# Altium PCB Arduboy_V2.PcbDoc
Units mm, origin at the board's own origin, x right, y up, seen from the top; angles counter-clockwise.
Board outline 45 x 80 mm, 2 copper layers (Top Layer, Bottom Layer), stack 0.271 mm thick; 54 components, 48 nets, 222 pads, 98 vias.
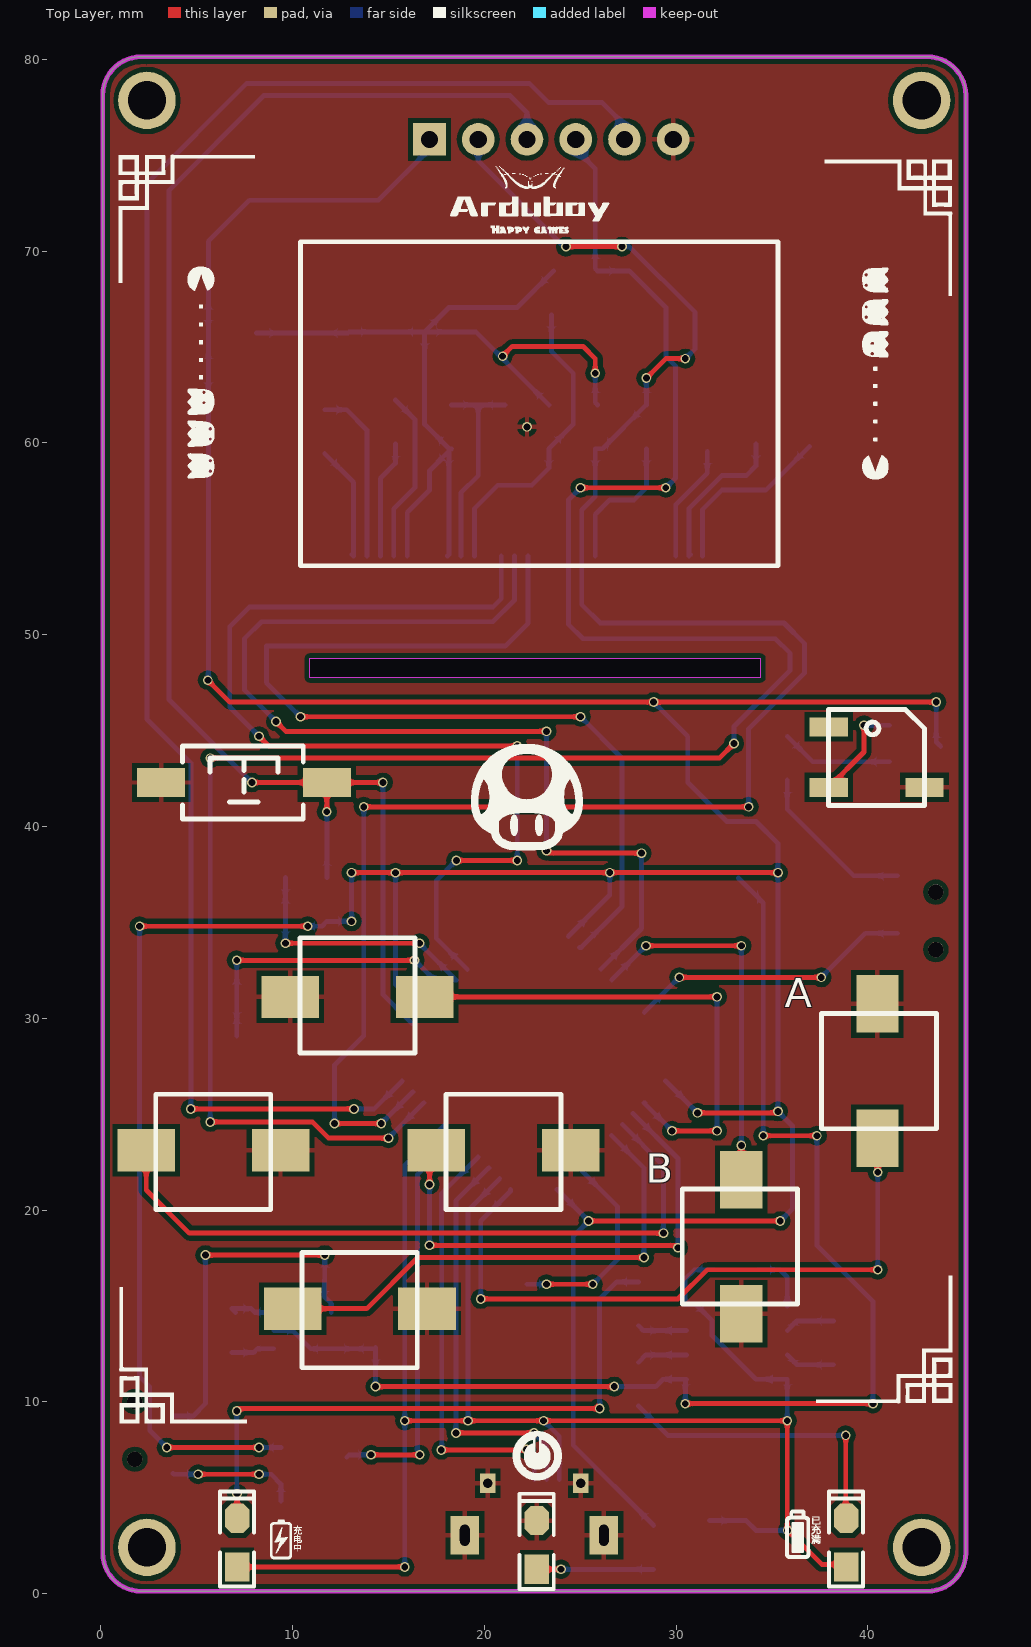
[diagram p0: Top Layer view]
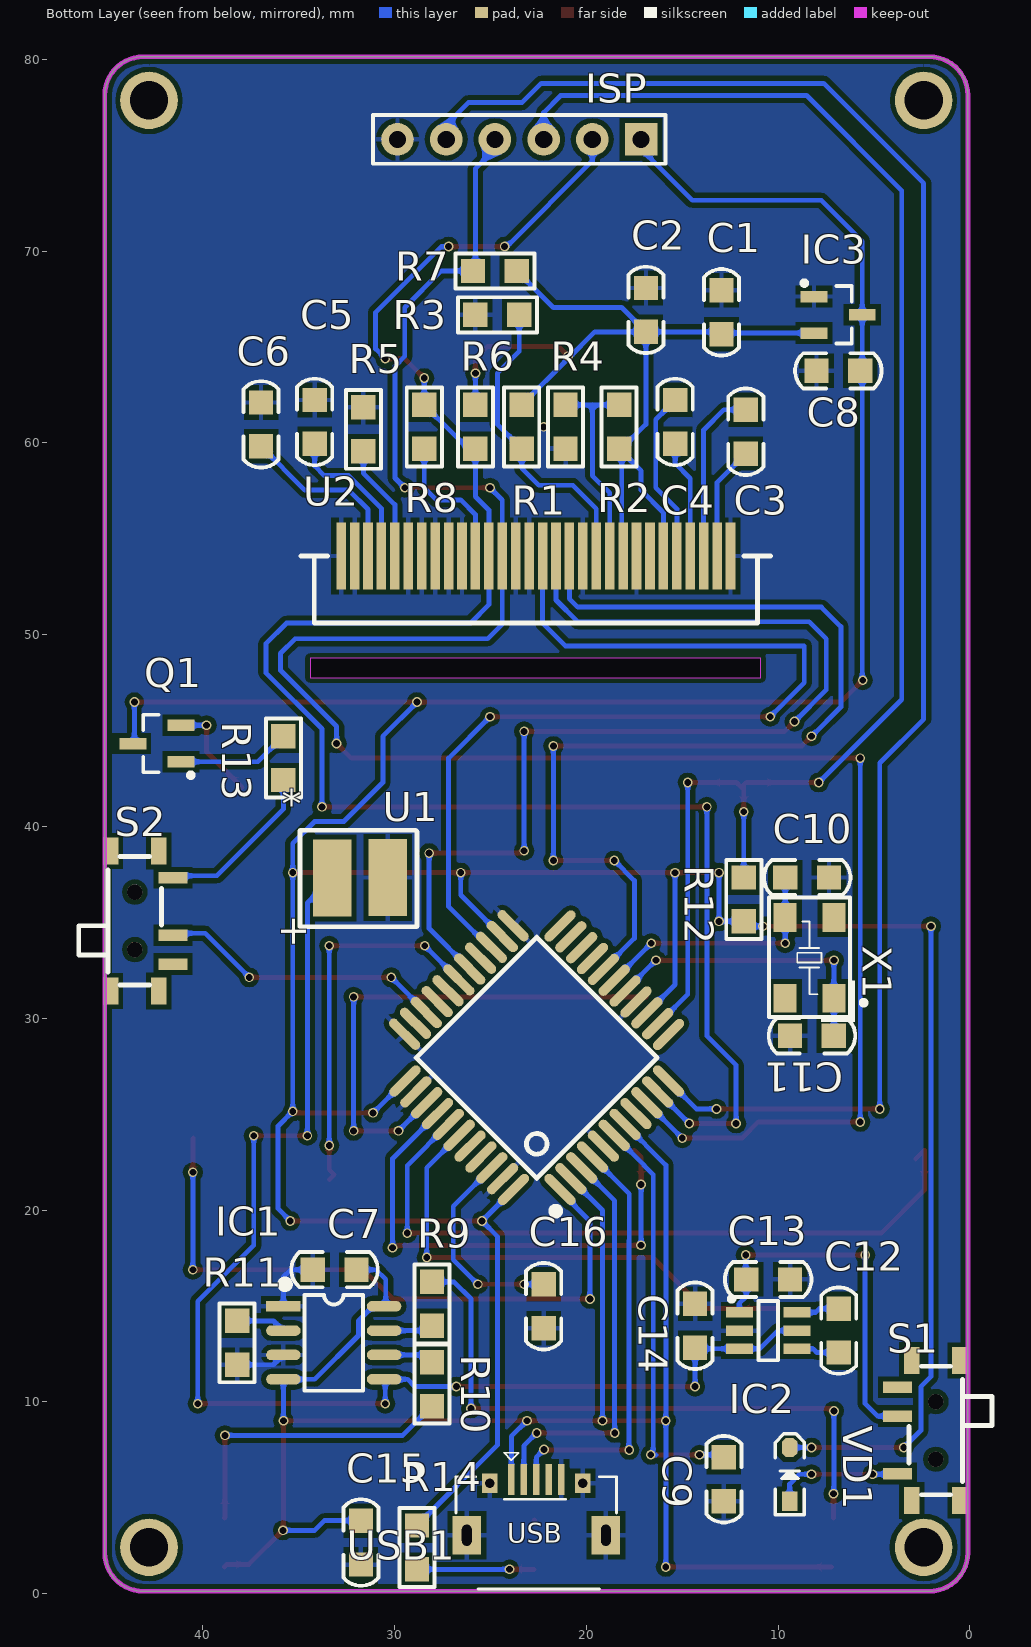
[diagram p1: Bottom Layer view, seen from below]

## Layer stack, top to bottom
Top Solder: solder mask 0.0102, Solder Resist, Dk 3.5
Top Layer: signal copper 0.0356
Dielectric 1: dielectric 0.2, FR-4, Dk 4.8
Bottom Layer: signal copper 0.0356
Bottom Solder: solder mask 0.0102, Solder Resist, Dk 3.5

## Board outline
0.106,2.127 0.106,78.127 cw(c2.106,78.127) 2.106,80.127 43.106,80.127 cw(c43.106,78.127) 45.106,78.127 45.106,2.127 cw(c43.106,2.127) 43.106,0.127 2.106,0.127 cw(c2.106,2.127)
cut-out: 10.901,48.768 34.396,48.768 34.396,47.752 10.901,47.752

## Design rules (kind name [scope] priority, off if disabled: settings)
Clearance [All] p1: gap=0.254 ignorepadtopadclearanceinfootprint=FALSE except(0: Arc-Hole Track-Hole SMDPad-Hole THPad-Hole Via-Hole Fill-Hole Poly-Hole Region-Hole Text-Hole)
PolygonConnect [All] p1: connectstyle=Relief reliefconductorwidth=0.254 reliefentries=4 polygonreliefangle="90 Angle" airgapwidth=0.254
RoutingVias [All] p1: holewidth=0.711 width=1.27 viastyle="Through Hole" minholewidth=0.711 minwidth=1.27 maxholewidth=0.711 maxwidth=1.27
SolderMaskExpansion [All] p1: expansion=0.102 istentingtop=FALSE
Width [All] p1: maxlimit=0.254 minlimit=0.254 preferedwidth=0.254
30 further rules are at their usual default settings.

## Components (designator, comment, footprint, x,y, rotation, side; value= is the part's Value field where it differs from the comment)
* "Li-Bettery SMD" "Li-Bettery SMD" 32.893,37.338 r90 bottom
A "6x6" "SW SMD-2" 40.492,23.749 r270 top
B "6x6" "SW SMD-2" 33.401,21.59 r90 top
B1 "DC5V" "BEEP-SMD 5x5x2" 37.952,41.097 r0 top
C1 "1uF" "C 0805" 12.954,66.802 r270 bottom
C2 "1uF" "C 0805" 16.891,66.929 r270 bottom
C3 "1uF" "C 0805" 11.684,60.579 r90 bottom
C4 "1uF" "C 0805" 15.367,61.087 r90 bottom
C5 "4.7uF" "C 0805" 34.163,61.087 r270 bottom
C6 "2.2uF" "C 0805" 36.957,60.96 r270 bottom
C7 "10uF" "C 0805" 33.126,16.891 r0 bottom
C8 "1uF" "C 0805" 6.858,63.754 r0 bottom
C9 "104" "C 0805" 12.827,5.969 r270 bottom
C10 "22pf" "C 0805" 8.488,37.338 r0 bottom
C11 "22pf" "C 0805" 8.234,29.083 r180 bottom
C12 "10uF" "C 0805" 6.837,13.716 r90 bottom
C13 "10uF" "C 0805" 10.52,16.383 r0 bottom
C14 "10uF" "C 0805" 14.33,13.97 r270 bottom
C15 "1uF" "C 0805" 31.75,2.667 r90 bottom
C16 "0.1uF" "C 0805" 22.225,14.986 r90 bottom
DOWM "6x6" "SW SMD-2" 10.012,14.859 r180 top
IC1 "TP4056" SOP8_N 33.168,13.081 r180 bottom
IC2 "PS3120A" SOT23-6M 10.52,13.716 r270 bottom
IC3 "662K" SOT23-3M 8.128,66.675 r270 bottom
ISP "HDR-1X6" HDR-1X6 17.145,75.819 r0 bottom
LED1 "" "LED 0805B" 7.112,2.667 r90 top
LED2 "红色" "LED 0805R" 38.862,2.667 r90 top
LED3 "红色" "LED 0805B" 22.733,2.54 r90 top
LEFT "6x6" "SW SMD-2" 2.377,23.114 r180 top
Q1 "SS8050" SOT23-3M 41.127,44.323 r90 bottom
R1 "4.7K" "R 0805" 23.368,60.833 r90 bottom
R2 "4.7K" "R 0805" 18.288,60.833 r270 bottom
R3 "4.7K" "R 0805" 24.638,66.675 r180 bottom
R4 "4.7K" "R 0805" 21.082,60.833 r90 bottom
R5 "910K" "R 0805" 31.623,60.706 r270 bottom
R6 "4.7K" "R 0805" 25.781,60.833 r270 bottom
R7 "4.7K" "R 0805" 24.765,68.961 r0 bottom
R8 "0" "R 0805" 28.448,60.833 r90 bottom
R9 "4.7K" "R 0805" 28.046,15.113 r270 bottom
R10 "4.7K" "R 0805" 28.046,10.922 r90 bottom
R11 "3K" "R 0805" 38.206,13.081 r90 bottom
R12 "10K" "R 0805" 11.79,36.195 r270 bottom
R13 "10K" "R 0805" 35.793,43.561 r90 bottom
R14 "4.7K" "R 0805" 28.829,2.413 r90 bottom
RIGHT "6x6" "SW SMD-2" 17.505,23.114 r180 top
S1 "SS-12F23" MSK-12C01-07 1.778,8.509 r90 bottom
S2 "SS-12F23" MSK-12C01-07 43.54,35.076 r270 bottom
SW1 "3x6x5" "TSW SMD-3*6*4.3" 7.472,42.291 r0 top
U1 "Atmega32U4-Line-5v" "TQFP44 10x10_M" 22.585,27.94 r135 bottom
U2 "OLED 0.96" "OLED 0.96" 22.631,54.102 r0 bottom
UP "6x6" "SW SMD-2" 16.885,31.115 r0 top
USB1 "USB-5P" USB-MICRO_B 22.606,3.048 r180 bottom
VD1 "1N4148" SOD-323 9.398,6.223 r90 bottom
X1 "26M" XTAL-5032 8.361,33.147 r90 bottom

## Footprints (in the part's own frame and the unit in brackets; to place one, negate y for a bottom-side part, rotate by r counter-clockwise, add the part's x,y. Pads: shape width x height; smd on the part's side, far side on the other; paste and mask are expansions set on the pad)
"BEEP-SMD 5x5x2" [mm] "贴片式蜂鸣器"
  rect 2x1 smd: 1(0,0.94) 2(5,0.94) 3(0,4.089)
  silkscreen extent 0,0 5,5
"C 0805" [mil] "无极性贴片电容"
  rect 50x50 smd: 1(-45,0) 2(45,0)
  silkscreen extent -89,-36 89,36, body extent -39,-24 39,24, height 20
HDR-1X6 [mm] "排针，6脚"
  rect 1.7x1.7 hole 0.9: 1(0,0)
  round 1.7 hole 0.9: 2(2.54,0) 3(5.08,0) 4(7.62,0) 5(10.16,0) 6(12.7,0)
  silkscreen extent -1.27,-1.27 13.97,1.27, body extent -1.27,-1.27 13.97,1.27, height 8.5
"LED 0805B" [mil] "蓝色0805LED"
  rect 60x50 smd: 1(-50,0)
  oct 60x50 smd: 2(50,0)
  silkscreen extent -90,-35 105,35, body extent -39,-25 39,25, height 32
"LED 0805R" [mil] "红色0805LED"
  rect 60x50 smd: 1(-50,0)
  oct 60x50 smd: 2(50,0)
  silkscreen extent -90,-35 105,35, body extent -39,-25 39,25, height 32
"Li-Bettery SMD" [mm] "锂电池焊接部分"
  rect 4x2 smd: 1(-0.025,0.356) 2(0,-2.54)
  silkscreen extent -2.57,-4.06 2.46,2.03
MSK-12C01-07 [mm] "6.7*2.8*1.5mm(长宽高）"
  rect 1.4x0.8 smd: 0(-3.65,-1.25) 0(-3.65,1.25) 0(3.65,-1.25) 0(3.65,1.25)
  rect 0.6x1.5 smd: 1(-2.25,1.996) 2(0.75,1.996) 3(2.25,1.996)
  round 0.8 hole 0.8: " "(-1.5,0) " "(1.5,0)
  silkscreen extent -3.35,-2.92 3.35,1.4, body extent -3.92,-2.9 3.92,2.4, height 1.5
"OLED 0.96" [mm]
  rect 0.5x3.5 smd: 1(-10.15,0) 2(-9.45,0) 3(-8.75,0) 4(-8.05,0) 5(-7.35,0) 6(-6.65,0) 7(-5.95,0) 8(-5.25,0) 9(-4.55,0) 10(-3.85,0) 11(-3.15,0) 12(-2.45,0) 13(-1.75,0) 14(-1.05,0) 15(-0.35,0) 16(0.35,0) 17(1.05,0) 18(1.75,0) 19(2.45,0) 20(3.15,0) 21(3.85,0) 22(4.55,0) 23(5.25,0) 24(5.95,0) 25(6.65,0) 26(7.35,0) 27(8.05,0) 28(8.75,0) 29(9.45,0) 30(10.15,0)
  silkscreen extent -12.25,0 12.25,3.5
"R 0805" [mil] "1/8W贴片电阻"
  rect 50x50 smd: 1(-45,0) 2(45,0)
  silkscreen extent -81,-36 81,36, body extent -39,-25 39,25, height 20
SOD-323 [mm] "1.8x1.3X0.9mm（长宽高，不包括引脚）"
  rect 1x0.8 smd: 1(-1.4,0)
  oct 1x0.8 smd: 2(1.4,0)
  silkscreen extent -2.11,-0.76 2.11,0.76, body extent -1.34,-0.63 1.31,0.67, height 1
SOP8_N [mm] "5*6*1.8mm（长宽高）"
  rect 1.8x0.55 smd: 1(-2.625,1.905)
  oval 1.8x0.55 smd: 2(-2.625,0.635) 3(-2.625,-0.635) 4(-2.625,-1.905) 5(2.625,-1.905) 6(2.625,-0.635) 7(2.625,0.635) 8(2.625,1.905)
  silkscreen extent -2.69,-2.5 1.52,3.2, body extent -3,-2.5 3,2.5, height 1.9
SOT23-3M [mm] "3x1.3x1mm(长宽高)"
  rect 0.6x1.4 smd: 1(-0.95,0) 2(0.95,0) 3(0,2.514)
  silkscreen extent -1.78,-0.63 1.5,1.97, body extent -1.5,0.07 1.5,2.47, height 1.05
SOT23-6M [mm] "3x1.6x1.1mm(长宽高)"
  rect 0.55x1.4 smd: 1(-0.95,-1.5) 2(0,-1.5) 3(0.95,-1.5) 4(0.95,1.5) 5(0,1.5) 6(-0.95,1.5)
  silkscreen extent -1.78,-2.03 1.55,0.51, body extent -1.5,-1.4 1.5,1.4, height 1.15
"SW SMD-2" [mm] "Arduboy使用"
  rect 3x2.2 smd: 1(0,0) 2(-7,0)
  silkscreen extent -6.49,-2.92 -0.49,3.08
"TQFP44 10x10_M" [mm] "44脚，体宽：10x10mm, 脚距：0.8mm"
  oval 0.5x2.1 smd: 1(-4,-5.715) 2(-3.2,-5.715) 3(-2.4,-5.715) 4(-1.6,-5.715) 5(-0.8,-5.715) 6(0,-5.715) 7(0.8,-5.715) 8(1.6,-5.715) 9(2.4,-5.715) 10(3.2,-5.715) 11(4,-5.715) 23(4,5.74) 24(3.2,5.74) 25(2.4,5.74) 26(1.6,5.74) 27(0.8,5.74) 28(0,5.74) 29(-0.8,5.74) 30(-1.6,5.74) 31(-2.4,5.74) 32(-3.2,5.74) 33(-4,5.74)
  oval 2.1x0.5 smd: 12(5.715,-4) 13(5.715,-3.2) 14(5.715,-2.4) 15(5.715,-1.6) 16(5.715,-0.8) 17(5.715,0) 18(5.715,0.8) 19(5.715,1.6) 20(5.715,2.4) 21(5.715,3.2) 22(5.715,4) 34(-5.715,4) 35(-5.715,3.2) 36(-5.715,2.4) 37(-5.715,1.6) 38(-5.715,0.8) 39(-5.715,0) 40(-5.715,-0.8) 41(-5.715,-1.6) 42(-5.715,-2.4) 43(-5.715,-3.2) 44(-5.715,-4)
  silkscreen extent -5.08,-6.48 4.45,4.45, body extent -6,-6 6,6, height 1.05
"TSW SMD-3*6*4.3" [mm] "3*6*4.3mm"
  rect 2.5x1.5 smd: 1(-4.318,0) 2(4.318,0)
  silkscreen extent -3.21,-1.9 3.09,1.9, body extent -4.6,-1.75 4.6,1.75, height 4.4
USB-MICRO_B [mm] "micro型USB ，5.7*7.8*2.5mm"
  rect 0.35x1.6 smd: 1(-1.3,2.9) 2(-0.65,2.9) 3(0,2.9) 4(0.65,2.9) 5(1.3,2.9)
  rect 1.5x2 hole 0.5 slot 1.1 at 90 deg: 5(-3.625,0) 5(3.625,0)
  rect 0.8x1 hole 0.5: 5(-2.425,2.71) 5(2.425,2.71)
  silkscreen extent -4.19,-2.79 4.19,4.3, body extent -4,-2.71 4,2.89, height 2.8
XTAL-5032 [mm]
  rect 1.5x1.2 smd: 1(-2.108,-1.27) 2(2.108,-1.27) 3(2.108,1.27) 4(-2.108,1.27)
  silkscreen extent -3.35,-2.95 3.15,2.11, body extent -2.5,-1.6 2.5,1.6, height 1

## Part data
A B DOWM LEFT RIGHT UP: library part "SW SMD-2", "Arduboy 用"
B1: library part BEEP, "蜂鸣器", BOM名称=蜂鸣器, 学习资源=https://lmdzstyle.taobao.com/, 版权归属=黎明电子style
C1 C2 C3 C4 C5 C6 C7 C8 C9 C10 C11 C12 C13 C14 C15 C16: library part C, "无极性贴片电容", BOM名称=无极性贴片电容, 学习资源=https://lmdzstyle.taobao.com/, 版权归属=黎明电子style
IC1: "锂电池充电管理", BOM名称=锂电池充电管理, 学习资源=https://lmdzstyle.taobao.com/, 版权归属=黎明电子style
IC2: "5V升压芯片"
IC3: "3.3V LEO稳压IC"
ISP: library part "Header 6", "6P接插件", BOM名称=6P接插件, 学习资源=https://lmdzstyle.taobao.com/, 版权归属=黎明电子style
LED1 LED2 LED3: library part LED-SMD, "贴片LED", BOM名称=贴片LED, 学习资源=https://lmdzstyle.taobao.com/, 版权归属=黎明电子style
Q1: library part 8050-SMD, "高频放大-NPN型", BOM名称=高频放大-NPN型, 学习资源=https://lmdzstyle.taobao.com/, 属性="40V 1.5A 1W 100MHZ", 版权归属=黎明电子style
R1 R2 R3 R4 R5 R6 R7 R8 R9 R10 R11 R12 R13 R14: library part R, "贴片电阻", BOM名称=贴片电阻, 学习资源=https://lmdzstyle.taobao.com/, 版权归属=黎明电子style
S1 S2: library part SSW-1P, "1路波动开关", BOM名称=波动开关, 学习资源=https://lmdzstyle.taobao.com/, 版权归属=黎明电子style
SW1: library part "TSW 3x6", "3x6轻触开关", BOM名称=3x6轻触开关, 学习资源=https://lmdzstyle.taobao.com/, 版权归属=黎明电子style
USB1: "微型USB母座", BOM名称=微型USB母座, 学习资源=https://lmdzstyle.taobao.com/, 版权归属=黎明电子style
VD1: "高速开关二极管", BOM名称=高速开关二极管, 学习资源=https://lmdzstyle.taobao.com/, 版权归属=黎明电子style
X1: library part XTAL-4, "4脚晶振", BOM名称=4脚晶振, 学习资源=https://lmdzstyle.taobao.com/, 版权归属=黎明电子style

## Free pads (board coordinates)
  round 3 hole 2: 17(42.799,77.851) 18(2.413,77.851) 19(2.413,2.413) 20(42.799,2.413)

## Via types
v1: diameter 0.508, hole 0.356, Top Layer to Bottom Layer, 98 vias

## Nets (pads, with @x,y where several pads share a name; then routed paths per layer and width w, separated by ;. In a path a pad name is that pad's centre, name@x,y a point inside that pad or via, vN(x,y) a via of type N, cw(c..) or ccw(c..) an arc to the next point about the centre after c; other vN are vias at no path point)
BEEP: S2.2 U1.31 | length 14.9
  Top Layer w0.254: v1(30.17,32.131) v1(37.571,32.131)
  Bottom Layer w0.254: U1.31 v1(30.17,32.131) ; v1(37.571,32.131) 39.869,34.429 S2.2@41.544,34.429
GND: *.2 A.2 B1.2 B.2 C1.1 C2.1 C5.1 C6.1 C7.2 C8.2 C9.2 C10.1 C11.1 C13.1 C14.1 C15.1 C16.1 DOWM.2 IC1.1 IC1.3 IC2.2 IC3.1 ISP.6 LED3.2 LEFT.2 R3.1 R4.1 R5.1 R11.1 RIGHT.2 SW1.1 U1.5 U1.15 U1.23 U1.33 U1.35 U1.43 U2.1 U2.8 U2.12 U2.16 U2.17 U2.21 U2.22 U2.23 U2.24 U2.25 U2.29 U2.30 UP.2 USB1.5 | length 5.9
  Top Layer w0.254: LED3.2@22.703,3.84 LED3.2
  Bottom Layer w0.254: C7.2 35.412,16.891 35.793,16.51 IC1.1 ; IC1.3 36.301,11.938 R11.1
  other v1: 22.225,60.833
KEY_A: A.1 U1.1 | length 34.5
  Top Layer w0.254: v1(19.812,15.367) 30.099,15.367 31.623,16.891 v1(40.513,16.891) ; A.1 40.513,23.728 v1(40.513,21.971)
  Bottom Layer w0.254: v1(19.812,15.367) 19.812,19.431 21.372,20.991 U1.1 ; v1(40.513,16.891) v1(40.513,21.971)
KEY_B: B.1 U1.28 | length 19.9
  Top Layer w0.254: v1(28.427,33.782) v1(33.401,33.782) ; B.1 33.147,21.844 33.401,22.098 v1(33.401,23.368)
  Bottom Layer w0.254: U1.28 v1(28.427,33.782) ; v1(33.401,23.368) v1(33.401,33.782)
KEY_DOWM: DOWM.1 U1.39 | length 26.5
  Top Layer w0.254: DOWM.1 13.873,14.859 16.54,17.526 v1(28.321,17.526)
  Bottom Layer w0.254: U1.39 28.321,22.204 v1(28.321,17.526)
KEY_LEFT: LEFT.1 U1.38 | length 37.2
  Top Layer w0.254: LEFT.1@2.827,22.664 LEFT.1 2.377,21.044 4.625,18.796 v1(29.337,18.796)
  Bottom Layer w0.254: U1.38 29.337,22.319 v1(29.337,18.796)
KEY_RIGHT: RIGHT.1 U1.37 | length 26.1
  Top Layer w0.254: v1(17.145,18.161) 29.972,18.161 v1(30.099,18.034) ; v1(17.145,21.336) 17.145,22.754 RIGHT.1
  Bottom Layer w0.254: v1(17.145,18.161) v1(17.145,21.336) ; U1.37 30.099,22.689 v1(30.099,18.034)
KEY_UP: U1.36 UP.1 | length 26.7
  Top Layer w0.254: UP.1 v1(32.131,31.115) ; v1(29.789,24.13) v1(32.131,24.13)
  Bottom Layer w0.254: U1.36@28.379,25.596 U1.36 v1(29.789,24.13) ; v1(32.131,24.13) v1(32.131,31.115)
MISO: ISP.5 U1.11 | length 89.5
  Top Layer w0.254: v1(4.699,25.273) v1(13.208,25.273)
  Bottom Layer w0.254: v1(4.699,25.273) 4.699,43.307 2.413,45.593 2.413,73.533 7.62,78.74 22.352,78.74 23.356,77.736 26.15,77.736 27.305,76.581 ISP.5 ; v1(13.208,25.273) 14.261,25.273 U1.11
MOSI: ISP.2 R6.2 R8.2 U1.10 U2.19 | length 98.3
  Top Layer w0.254: v1(12.192,24.511) v1(14.631,24.511) ; v1(13.716,41.021) v1(33.782,41.021) ; v1(24.257,70.231) v1(27.178,70.231) ; v1(28.448,63.373) 29.464,64.389 v1(30.48,64.389)
  Bottom Layer w0.254: v1(12.192,24.511) 12.192,27.559 13.716,29.083 v1(13.716,41.021) ; v1(14.631,24.511) U1.10 ; ISP.2 19.685,74.7 v1@24.154,70.231 ; v1(27.178,70.231) 27.559,70.231 30.988,66.802 30.988,64.897 v1(30.48,64.389) ; v1(28.448,63.373) R8.2 26.162,59.69 R6.2 25.781,57.2 25.081,56.5 U2.19 25.081,51.562 26.035,50.608 35.625,50.608 36.703,49.53 36.703,48.006 33.782,45.085 v1(33.782,41.021)
NetB1_1: B1.1 Q1.2 | length 5.3
  Top Layer w0.254: B1.1 39.796,43.881 v1(39.796,45.273)
  Bottom Layer w0.254: v1(39.796,45.273) Q1.2
NetC3_1: C3.1 U2.2 | length 6.1
  Bottom Layer w0.254: C3.1 13.181,57.939 U2.2 U2.2@13.112,54.171
NetC3_2: C3.2 U2.3 | length 9.2
  Bottom Layer w0.254: C3.2 12.827,61.722 13.881,60.668 U2.3
NetC4_1: C4.1 U2.4 | length 6.2
  Bottom Layer w0.254: U2.4 14.581,58.142 15.367,58.928 C4.1
NetC4_2: C4.2 U2.5 | length 9
  Bottom Layer w0.254: U2.5 15.281,56.556 16.383,57.658 16.383,61.214 C4.2
NetC5_2: C5.2 U2.27 | length 8.1
  Bottom Layer w0.254: U2.27@30.75,54.171 U2.27 30.681,56.589 32.385,58.293 33.655,58.293 34.163,58.801 C5.2
NetC6_2: C6.2 U2.28 | length 9.4
  Bottom Layer w0.254: U2.28 31.381,56.527 32.385,57.531 34.671,57.531 C6.2
NetC9_1: C9.1 U1.6 | length 21.7
  Top Layer w0.254: v1(14.097,7.239) v1(16.637,7.239)
  Bottom Layer w0.254: C9.1 12.954,7.239 v1(14.097,7.239) ; 16.362,7.239 v1(16.637,7.239) 16.51,7.366 16.51,21.844 16.997,22.331 16.997,22.352 U1.6
NetC10_2: C10.2 U1.17 X1.3 | length 13.3
  Top Layer w0.254: v1(9.631,33.909) v1(16.616,33.909)
  Bottom Layer w0.254: v1(9.631,33.909) X1.3 C10.2 ; v1(16.616,33.909) U1.17 U1.17@18.417,31.981
NetC11_2: C11.2 U1.16 X1.1 | length 15.5
  Top Layer w0.254: v1(7.091,33.02) v1(16.362,33.02)
  Bottom Layer w0.254: C11.2 X1.1 v1(7.091,33.02) ; v1(16.362,33.02) 16.374,33.02 U1.16
NetC12_1: C12.1 IC2.4 | length 2.3
  Bottom Layer w0.254: C12.1 7.98,12.573 8.173,12.766 IC2.4
NetC12_2: C12.2 IC2.6 | length 2.5
  Bottom Layer w0.254: C12.2@7.03,14.666 C12.2 7.853,14.859 8.046,14.666 IC2.6
NetC13_2: C13.2 IC2.1 S1.2 | length 19.1
  Top Layer w0.254: v1(5.461,17.653) v1(11.684,17.653)
  Bottom Layer w0.254: S1.2 4.814,9.259 5.461,9.906 v1(5.461,17.653) ; v1(11.684,17.653) 11.684,16.404 C13.2 11.663,15.494 12.02,15.137 IC2.1
NetC16_2: C16.2 U1.42 | length 10.9
  Top Layer w0.254: v1(23.241,16.129) v1(25.654,16.129)
  Bottom Layer w0.254: C16.2 v1(23.241,16.129) ; U1.42 26.938,20.193 26.938,17.413 v1(25.654,16.129)
NetIC1_2: IC1.2 R11.2 | length 2.6
  Bottom Layer w0.254: IC1.2 36.301,14.224 R11.2
NetIC1_6: IC1.6 R10.2 | length 2.7
  Bottom Layer w0.254: R10.2 28.427,12.446 IC1.6
NetIC1_7: IC1.7 R9.2 | length 2.6
  Bottom Layer w0.254: R9.2 28.3,13.716 IC1.7
NetLED1_2: LED1.2 R9.1 | length 32.9
  Top Layer w0.254: v1(7.091,9.525) 7.218,9.652 v1(26.014,9.652) v1@25.887,9.779 ; LED1.2 v1(7.112,5.207)
  Bottom Layer w0.254: v1(7.091,9.525) 7.091,5.228 v1(7.112,5.207) ; v1(26.014,9.652) 26.014,15.367 26.903,16.256 R9.1
NetLED2_2: LED2.2 R10.1 | length 15.9
  Top Layer w0.254: v1@38.841,8.382 v1(38.841,8.255) 38.841,3.958 LED2.2
  Bottom Layer w0.254: R10.1 29.57,8.255 v1(38.841,8.255)
NetLED3_1: LED3.1 R14.1 | length 6.1
  Top Layer w0.254: LED3.1 v1(24.003,1.27)
  Bottom Layer w0.254: v1(24.003,1.27) R14.1
NetQ1_1: Q1.1 R13.2 | length 5.9
  Bottom Layer w0.254: R13.2 37.124,43.373 Q1.1
NetR1_1: R1.1 R3.2 U2.11 | length 16.2
  Bottom Layer w0.254: U2.11 19.481,56.565 20.701,57.785 22.479,57.785 23.368,58.674 R1.1 24.638,60.96 24.638,63.627 23.495,64.77 R3.2
NetR2_1: R2.1 R4.2 U2.10 | length 11
  Bottom Layer w0.254: R2.1 19.685,61.976 ; U2.10 18.781,57.389 19.685,58.293 19.685,61.976 ; R4.2 19.685,61.976
NetR5_2: R5.2 U2.26 | length 6.1
  Bottom Layer w0.254: U2.26 29.981,56.778 31.623,58.42 R5.2
NetR8_1: R8.1 U2.20 | length 7.4
  Bottom Layer w0.254: U2.20 25.781,56.261 26.543,57.023 27.813,57.023 28.448,57.658 R8.1
NetR13_1: R13.1 S2.1 | length 8.7
  Bottom Layer w0.254: R13.1 35.793,40.894 39.258,37.429 S2.1@41.544,37.429
NetS1_1: S1.1 VD1.1 | length 6.7
  Top Layer w0.254: v1(5.08,6.223) v1(8.255,6.223)
  Bottom Layer w0.254: S1.1 3.81,6.223 v1(5.08,6.223) ; v1(8.255,6.223) 8.89,6.223 9.398,5.715 VD1.1
OLED_CS: U1.18 U2.13 | length 52.9
  Top Layer w0.254: v1(8.255,44.704) 8.763,44.196 v1(21.717,44.196) ; v1(18.542,38.227) v1(21.717,38.227)
  Bottom Layer w0.254: v1(8.255,44.704) 6.731,46.228 6.731,50.419 7.747,51.435 20.447,51.435 20.881,51.869 U2.13 ; v1(18.542,38.227) 17.493,37.178 17.493,34.163 U1.18 ; v1(21.717,38.227) v1(21.717,44.196)
OLED_D0: ISP.4 R7.2 U1.9 U2.18 | length 110.2
  Top Layer w0.254: v1(5.715,24.595) 11.035,24.595 11.881,23.749 v1(15,23.749) ; v1(5.715,43.561) 32.258,43.561 v1(33.02,44.323) ; v1(25.019,57.658) v1(29.464,57.658)
  Bottom Layer w0.254: v1(5.715,24.595) v1(5.715,43.561) ; v1(15,23.749) U1.9 ; ISP.4 24.765,75.311 25.781,74.295 25.781,69.088 R7.2 27.559,68.961 29.464,67.056 29.464,64.507 29.972,63.999 29.972,58.166 v1(29.464,57.658) ; v1(25.019,57.658) 24.381,57.02 U2.18 24.381,50.549 25.146,49.784 35.179,49.784 35.941,49.022 35.941,48.133 33.02,45.212 v1(33.02,44.323)
OLED_D/C: U1.25 U2.15 | length 50.6
  Top Layer w0.254: v1(10.414,45.72) v1(25.019,45.72)
  Bottom Layer w0.254: v1(10.414,45.72) 8.636,47.498 8.636,49.403 21.082,49.403 22.281,50.602 U2.15 ; U1.25 25.06,33.696 27.178,35.814 27.178,43.561 v1(25.019,45.72)
OLED_RES: U1.27 U2.14 | length 54.7
  Top Layer w0.254: v1(9.144,45.466) 9.652,44.958 v1(23.241,44.958) ; v1(23.241,38.735) 23.368,38.608 v1(28.194,38.608)
  Bottom Layer w0.254: v1(9.144,45.466) 7.493,47.117 7.493,49.784 8.382,50.673 20.447,50.673 21.581,51.807 U2.14 ; v1(23.241,38.735) v1(23.241,44.958) ; U1.27 28.194,34.68 v1(28.194,38.608)
RESET: ISP.3 R12.1 SW1.2 U1.13 | length 80.3
  Top Layer w0.254: v1(7.883,42.291) 11.663,42.291 SW1.2@11.79,42.164 ; v1(11.79,40.767) SW1.2@11.79,42.164 ; v1(14.711,42.291) 12.171,42.291 11.917,42.037 SW1.2@11.79,42.164
  Bottom Layer w0.254: v1(7.883,42.291) 3.556,46.618 3.556,73.152 8.509,78.105 21.336,78.105 22.225,77.216 ISP.3 ; R12.1 v1(11.79,40.767) ; v1(14.711,42.291) 14.711,31.242 16.235,29.718 U1.13
USB_D+: U1.4 USB1.3 | length 22.3
  Top Layer w0.254: v1(17.759,7.493) 22.183,7.493 v1(22.204,7.514)
  Bottom Layer w0.254: v1(17.759,7.493) 17.78,7.514 17.78,18.424 17.759,18.445 17.759,20.851 U1.4 ; v1(22.204,7.514) 22.606,7.112 USB1.3
USB_D-: U1.3 USB1.2 | length 21.3
  Top Layer w0.254: v1(18.521,8.382) v1(22.585,8.382)
  Bottom Layer w0.254: v1(18.521,8.382) 18.521,20.482 U1.3 ; v1(22.585,8.382) 23.256,7.711 USB1.2
VBUS: C7.1 C15.2 IC1.4 IC1.8 LED1.1 LED2.1 U1.2 U1.7 USB1.1 | length 95.7
  Top Layer w0.254: LED1.1@7.212,1.397 v1(15.854,1.397) ; v1(15.854,9.017) v1(19.156,9.017) v1(23.093,9.017) v1(35.793,9.017) 35.793,3.323 v1(35.814,3.302) 37.592,1.524 38.735,1.524 LED2.1
  Bottom Layer w0.254: v1(15.854,1.397) v1(15.854,9.017) 15.854,22.34 U1.7 ; v1(19.156,9.017) 19.156,19.986 U1.2 ; v1(23.093,9.017) 23.906,8.204 USB1.1 ; C15.2 33.655,3.81 34.163,3.302 v1(35.814,3.302) ; C7.1 30.967,16.891 30.459,16.383 30.459,15.07 31.031,15.07 31.877,14.224 31.877,13.462 34.163,11.176 IC1.4 v1(35.793,9.017)
VCC: C8.1 IC3.3 ISP.1 Q1.3 R12.2 R14.2 U1.14 U1.24 U1.34 U1.44 VD1.2 | length 227.8
  Top Layer w0.254: v1(2.032,34.798) v1(10.795,34.798) ; v1(3.448,7.62) v1(8.255,7.62) ; v1(5.588,47.625) 6.731,46.482 v1(28.829,46.482) v1(43.561,46.482) ; v1(13.081,37.592) v1(26.543,37.592) 35.179,37.592 35.306,37.465 v1(35.306,37.592) ; v1(25.437,19.431) v1(35.433,19.431) ; v1(31.115,25.067) 35.354,25.067 v1@35.338,25.082
  Bottom Layer w0.254: v1(2.032,34.798) 2.032,11.317 2.559,10.79 2.559,8.509 v1(3.448,7.62) ; v1@5.614,47.625 IC3.3 5.614,70.511 7.747,72.644 14.478,72.644 17.145,75.311 ISP.1 ; v1(8.255,7.62) 9.395,7.62 VD1.2 ; v1(10.795,34.798) 11.536,34.798 R12.2 v1(13.081,35.052) v1(13.081,37.592) ; v1(15.374,37.585) 15.374,31.757 U1.14 ; U1.44 v1(25.437,19.431) 24.638,18.632 24.638,7.747 R14.2 ; U1.24 26.543,36.423 v1(26.543,37.592) ; v1(28.829,46.482) 30.607,44.704 30.607,42.291 32.639,40.259 34.163,40.259 35.306,39.116 v1(35.306,37.592) v1(35.306,25.146) 36.068,24.384 36.068,20.066 v1(35.433,19.431) ; U1.34 v1(31.115,25.067) ; v1(43.561,46.482) 43.561,44.403 Q1.3 Q1.3@43.794,44.17
VCC_3.3V: C1.2 C2.2 IC3.2 R1.2 R2.2 R6.1 R7.1 U2.6 U2.9 | length 51.6
  Top Layer w0.254: v1(20.955,64.516) 21.463,65.024 25.146,65.024 25.781,64.389 v1(25.781,63.627)
  Bottom Layer w0.254: IC3.2 12.888,65.725 12.949,65.786 C2.2 ; U2.6 15.981,56.367 17.145,57.531 17.145,58.547 R2.2@18.15,59.552 ; U2.9 18.15,54.171 R2.2@18.15,59.552 ; v1(20.955,64.516) v1@20.955,64.389 ; R1.2 v1@20.955,64.389 ; R7.1 21.717,67.056 18.161,67.056 C2.2 ; v1(25.781,63.627) 25.781,62.103 R6.1@25.908,61.976 ; C2.2 19.558,65.786 v1@20.955,64.389 ; C2.2 16.891,60.96 18.161,59.69 R2.2 R2.2@18.15,59.552
VCC_LI: *.1 C14.2 IC1.5 IC2.3 IC2.5 | length 67.1
  Top Layer w0.254: v1(14.33,10.795) v1(26.776,10.795) ; v1(30.48,9.906) v1(40.259,9.906) ; v1(34.544,23.876) v1(37.338,23.876)
  Bottom Layer w0.254: IC2.5 10.012,13.716 10.962,12.766 IC2.3 C14.2@14.264,12.766 ; v1(14.33,10.795) C14.2 ; v1(26.776,10.795) 28.935,10.795 29.316,11.176 IC1.5 30.48,11.113 v1(30.48,9.906) ; *.1 34.544,36.017 v1(34.544,23.876) ; v1(37.338,23.876) 37.338,18.161 40.259,15.24 v1(40.259,9.906)
pads on no net: "S1. " "S2. " B1.3 S1.0 S1.3 S2.0 S2.3 U1.8 U1.12 U1.19 U1.20 U1.21 U1.22 U1.26 U1.29 U1.30 U1.32 U1.40 U1.41 U2.7 USB1.4 X1.2 X1.4

## Polygon pours and split planes (outlines as drawn)
GND on Top Layer "Top Layer-GND" (solid, remove dead copper, pour order 20): 0,80.645 45.72,80.645 45.72,0 0,0 0,80.645
GND on Bottom Layer "Bottom Layer-GND" (solid, remove dead copper, pour order 22): 0,80.645 45.72,80.645 45.72,0 0,0 0,80.645

## Keep-outs
Keep-Out Layer:
  the board outline again, w0.254

## Silkscreen, mask and mechanical layers (free items; w line width, h text height)
Top Overlay:
  drawing of 4960 lines, arcs and shapes, not listed
Mechanical 1:
  lines w0.254: 0.106,2.127 ccw(c2.106,2.127) 2.106,0.127 43.106,0.127 ccw(c43.106,2.127) 45.106,2.127 45.106,78.127 ccw(c43.106,78.127) 43.106,80.127 2.106,80.127 ccw(c2.106,78.127) 0.106,78.127 0.106,2.127 ; 10.901,47.752 10.901,48.768 34.396,48.768 34.396,47.752 10.901,47.752

## Text inside footprints (layer, text, board x,y; h text height)
*: Bottom Overlay "+" at 34.595,33.655 h1.52 r270
USB1: Bottom Overlay "USB" at 24.13,2.646 h1.02